# Altium PCB bg_pcb.PcbDoc (part 1 of 2) (continued)
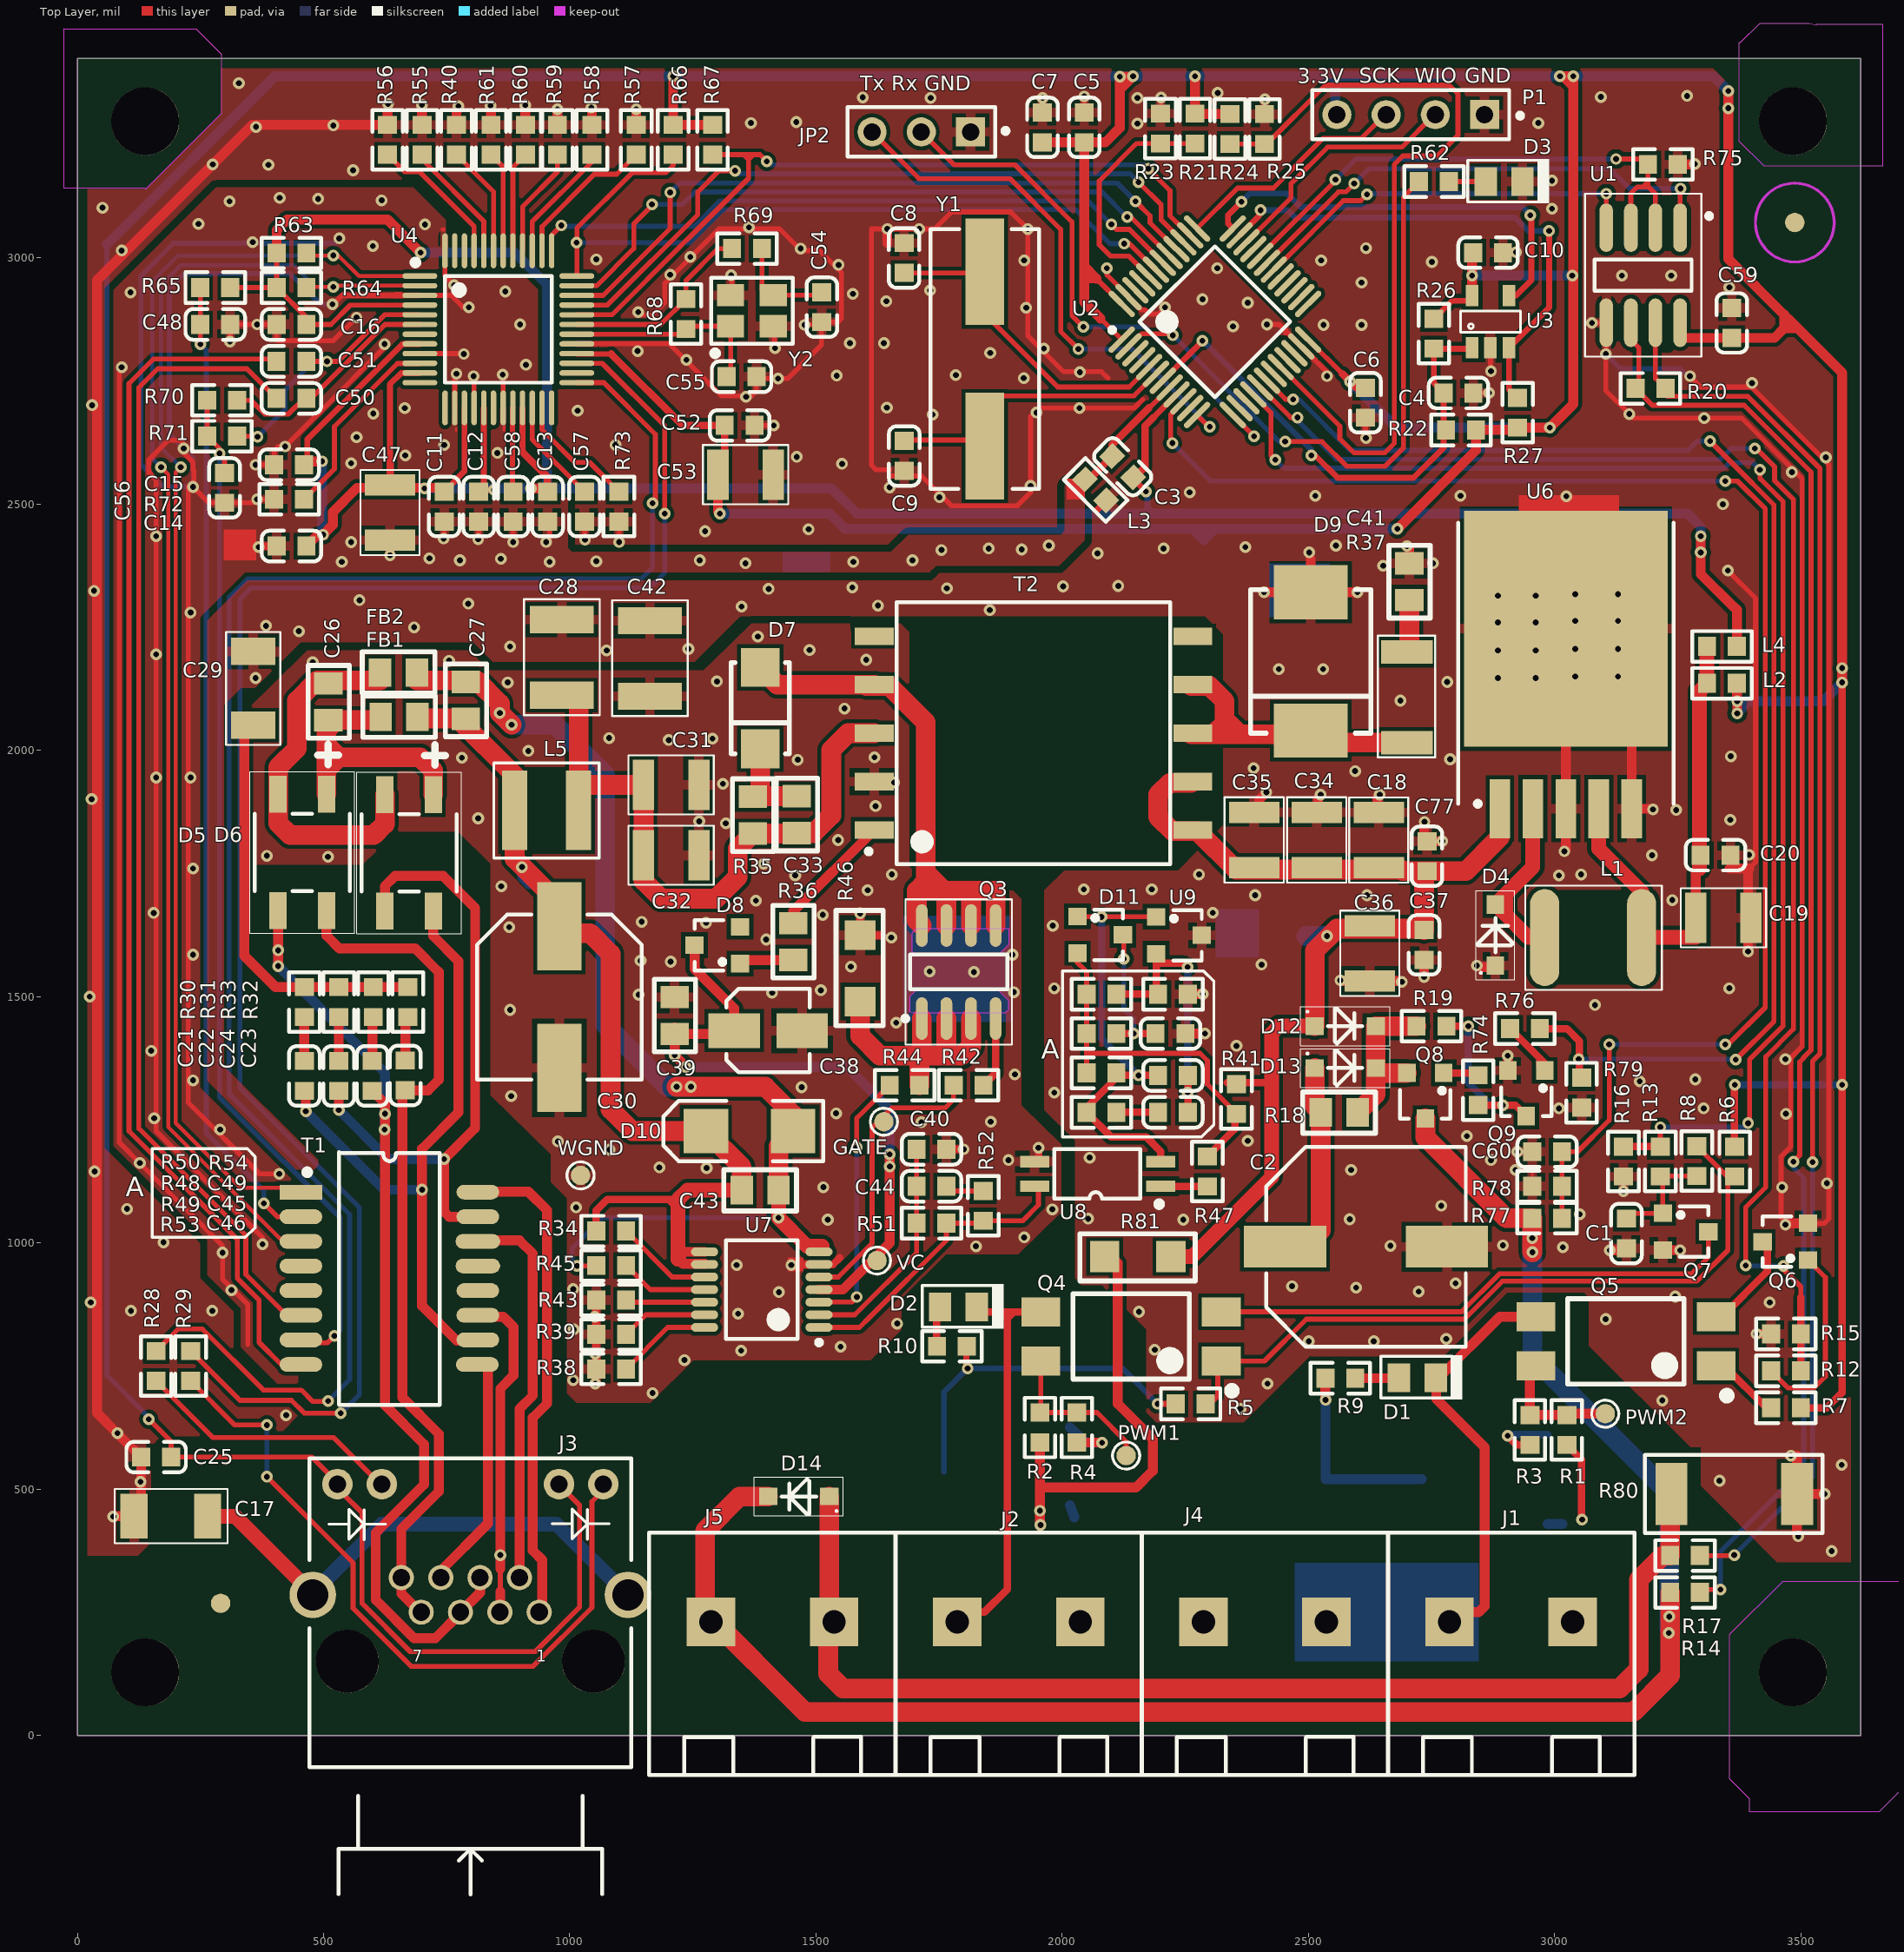
[diagram p0: Top Layer view]
## Footprints (in the part's own frame and the unit in brackets; to place one, negate y for a bottom-side part, rotate by r counter-clockwise, add the part's x,y. Pads: shape width x height; smd on the part's side, far side on the other; paste and mask are expansions set on the pad)
8M_SMD_CRYSTAL [mm]
  rect 5.5x2 smd: 1(-4.5,0) 2(4.5,0)
  silkscreen extent -6.7,-2.8 6.7,2.8
25MHZ-SMD-3225_4P [mm]
  rect 1.4x1.15 smd: 1(-1.1,-0.8) 2(1.1,-0.8) 3(1.1,0.8) 4(-1.1,0.8)
  silkscreen extent -2.1,-2.35 2.1,1.7, body extent -1.6,-1.25 1.6,1.25, height 0.61
0805 [mm] "Chip Capacitor, Body 2.0x1.3mm, IPC High Density"
  rect 1.16x1.47 smd: 1(0,0) 2(1.9,0)
  silkscreen extent -0.92,-1.05 2.83,1.07
1206 [mm]
  rect 1.52x1.6 smd: 1(0,0) 2(3.42,0)
  silkscreen extent -1.25,-1.17 4.7,1.25
1808 [mm]
  rect 1.4x2.3 smd: 1(0,0) 2(3.8,0)
  silkscreen extent -1,-1.4 4.82,1.4
1812 [mm] "Chip Capacitor, Body 4.5x3.2mm, IPC High Density"
  rect 1.4x3.3 smd: 1(0,0) 2(3.9,0)
  silkscreen extent -1.02,-1.95 4.95,1.95, body extent -0.5,-1.7 4.3,1.7, height 1.4
2010 [mm]
  rect 1.2x2.67 smd: 1(0,0) 2(4.68,0)
  silkscreen extent -0.83,-1.49 5.44,1.46
2512 [mm]
  rect 1.65x3.2 smd: 1(-3.24,0) 2(3.24,0)
  silkscreen extent -4.6,-2.02 4.55,2.02
bingo_logo [mil]
  silkscreen extent 2,-1 742,221
C4*5.8 [mm]
  rect 2.65x1.8 smd: 1(-1.75,0) 2(1.75,0)
  silkscreen extent -2.15,-2.15 2.15,2.15, body extent -2.15,-2.15 2.15,2.15, height 5.8
C8*10.2MM [mm]
  rect 4.55x2.3 smd: 1(-3.65,0) 2(3.65,0)
  silkscreen extent -4.25,-4.25 4.25,4.25, body extent -4.25,-4.25 4.25,4.25, height 10.2
C10*10.5mm [mm]
  rect 4.25x2.15 smd: 1(-4.175,0) 2(4.175,0)
  silkscreen extent -5.15,-5.15 5.15,5.15, body extent -5.15,-5.15 5.15,5.15, height 10.5
C0603 [mm]
  rect 0.93x0.98 smd: 1(-0.77,0) 2(0.77,0)
  silkscreen extent -1.53,-0.79 1.54,0.79, body extent -0.8,-0.4 0.8,0.4, height 0.3
C1210 [mm] "Chip Capacitor, Body 3.2x2.5mm, IPC High Density"
  rect 1.1x2.6 smd: 1(-1.35,0) 2(1.5,0)
  silkscreen extent -2.12,-1.53 2.27,1.53, body extent -1.6,-1.35 1.8,1.35, height 1.3
H1102NL [mm]
  rect 2.2x0.76 smd: 1(0,0)
  oval 2.2x0.76 smd: 2(0,-1.27) 3(0,-2.54) 4(0,-3.81) 5(0,-5.08) 6(0,-6.35) 7(0,-7.62) 8(0,-8.89) 9(9.1,-8.89) 10(9.13,-7.62) 11(9.13,-6.35) 12(9.13,-5.08) 15(9.13,-1.27) 16(9.13,0)
  oval 2.3x0.76 smd: 13(9.13,-3.81) 14(9.13,-2.54)
  silkscreen extent 0.18,-10.97 7.17,2.05
HD01 [mm] "SOT143, 4-Leads, Body 4.70x7.00mm, Pitch 2.50mm, IPC Medium Density"
  rect 1.9x0.9 smd: 1(0,0) 2(6,0) 3(0,-2.5) 4(6,-2.5)
  silkscreen extent -2.58,-3.95 7.17,1.45, body extent 1,-3.7 5,1.2, height 2.7
HDR1X3 [mm] "Connector; Header; 3 Position"
  rect 1.5x1.5 hole 0.9: 1(0,0)
  round 1.5 hole 0.9: 2(2.54,0) 3(5.08,0)
  silkscreen extent -1.27,-1.27 6.35,1.27
HDR1X4 [mm] "Connector; Header; 4 Position"
  rect 1.5x1.5 hole 0.9: 1(0,0)
  round 1.5 hole 0.9: 2(2.54,0) 3(5.08,0) 4(7.62,0)
  silkscreen extent -1.27,-1.27 8.89,1.27
L4*4MM [mm] "Precision Wire Wound Inductor, 2-Leads, Body 4.40x4.40mm, IPC Medium Density"
  rect 1.3x4.1 smd: 1(-0.05,0) 2(3.25,0)
  silkscreen extent -1.12,-2.45 4.3,2.45, body extent -0.5,-2.2 3.9,2.2, height 1.1
L0603 [mm]
  rect 0.93x0.98 smd: 1(-0.77,0) 2(0.77,0)
  silkscreen extent -1.54,-0.79 1.53,0.79, body extent -0.82,-0.41 0.83,0.41, height 0.46
L-7.5S [mm]
  oval 1.5x5 smd: 1(0,0) 2(5,0)
  silkscreen extent -1,-2.7 6.05,2.68
LC_SMD-4 [mm]
  rect 2x1.5 smd: 1(-4.65,1.27) 2(-4.65,-1.27) 3(4.65,-1.27) 4(4.65,1.27)
  silkscreen extent -5.4,-2.2 3,3, body extent -5.02,-2.42 5.01,2.42, height 3.9
LED-0805 [mm] "Chip Capacitor, Body 2.0x1.3mm, IPC High"
  rect 1.16x1.47 smd: 1(0,0) 2(-1.9,0)
  silkscreen extent -3.28,-1.18 0.92,1.12
LQFP48 [mm]
  oval 1.8x0.3 smd: 1(-4.038,2.752) 2(-4.038,2.252) 3(-4.038,1.752) 4(-4.038,1.252) 5(-4.038,0.752) 6(-4.038,0.252) 7(-4.038,-0.248) 8(-4.038,-0.748) 9(-4.038,-1.248) 10(-4.038,-1.748) 11(-4.038,-2.248) 12(-4.038,-2.748) 25(4.062,-2.748) 26(4.062,-2.248) 27(4.062,-1.748) 28(4.062,-1.248) 29(4.062,-0.748) 30(4.062,-0.248) 31(4.062,0.252) 32(4.062,0.752) 33(4.062,1.252) 34(4.062,1.752) 35(4.062,2.252) 36(4.062,2.752)
  oval 0.3x1.8 smd: 13(-2.738,-4.048) 14(-2.238,-4.048) 15(-1.738,-4.048) 16(-1.238,-4.048) 17(-0.738,-4.048) 18(-0.238,-4.048) 19(0.262,-4.048) 20(0.762,-4.048) 21(1.262,-4.048) 22(1.762,-4.048) 23(2.262,-4.048) 24(2.762,-4.048) 37(2.762,4.052) 38(2.262,4.052) 39(1.762,4.052) 40(1.262,4.052) 41(0.762,4.052) 42(0.262,4.052) 43(-0.238,4.052) 44(-0.738,4.052) 45(-1.238,4.052) 46(-1.738,4.052) 47(-2.238,4.052) 48(-2.738,4.052)
  silkscreen extent -4.16,-2.75 2.76,3.58, body extent -3.49,-3.5 3.51,3.5, height 1.6
MKDS_5_6.35 [mm]
  rect 2.5x2.5 hole 1.2: 1(-3.175,0) 2(3.175,0)
  silkscreen extent -6.36,-7.9 6.36,4.6
POE13P-12L [mm]
  rect 2x0.9 smd: 1(-8.22,-5) 2(-8.22,-2.5) 3(-8.22,0) 4(-8.22,2.5) 5(-8.22,5) 6(8.22,5) 7(8.22,2.5) 8(8.22,0) 9(8.22,-2.5) 10(8.22,-5)
  silkscreen extent -8.63,-6.75 7.05,6.75, body extent -6.5,-6.75 6.5,6.75, height 12.7
R0603 [mm]
  rect 0.93x0.98 smd: 1(-0.77,0) 2(0.77,0)
  silkscreen extent -1.53,-0.79 1.54,0.79, body extent -0.85,-0.4 0.85,0.4, height 0.56
RJ45LED [mm]
  round 1.3 hole 0.9: 1(2.03,3.55) 3(2.03,1.52) 4(0.25,0.5) 5(2.03,-0.51) 6(0.25,-1.52) 7(2.03,-2.54) 8(0.25,-3.56)
  round 1.3 hole 0.9 paste+0: 2(0.25,2.53)
  round 1.575 hole 0.9: 9(-4.57,6.86) 10(-4.57,4.57) 11(-4.57,-4.57) 12(-4.57,-6.86)
  round 2.4 hole 1.6: 13(1.14,8.13) 14(1.14,-8.13)
  round 3.25 hole 3.25 unplated: 15(4.57,6.35) 16(4.57,-6.35)
  silkscreen extent -5.91,-8.3 16.6,8.3, body extent -5.9,-9.3 10.82,9.33, height 14.8
SMA [mm]
  rect 2x2 smd: 1(4.481,1.403) 2(0.281,1.403)
  silkscreen extent 0.03,-0.1 4.73,2.9
SMB [mm] "DO-214-AA/SMB; 2 C-Bend Leads; Body 5.3 x 3.6 mm, inc. leads (LxW)"
  rect 2.3x2.3 smd: 1(-2.25,0) 2(2.25,0)
  silkscreen extent -3.8,-1.55 4.44,1.55
SMC [mil]
  rect 110x150 smd: 1(281.16,125.04) 2(0.18,125.04)
  silkscreen extent -5,3 286,247
SO8 [mm] "SOIC, 8-Leads, Body 4.9x3.9mm, Pitch 1.27mm, IPC Medium Density"
  oval 2.2x0.6 smd: 1(-2.4,1.905) 2(-2.4,0.635) 3(-2.4,-0.635) 4(-2.4,-1.905) 5(2.4,-1.905) 6(2.4,-0.635) 7(2.4,0.635) 8(2.4,1.905)
  silkscreen extent -3.75,-2.75 3.75,2.88, body extent -2,-2.5 2,2.5, height 1.75
SOD123 [mm]
  rect 0.95x0.9 smd: 1(-1.575,0) 2(1.575,0)
  silkscreen extent -2.3,-1 2.3,1, body extent -1.43,-0.85 1.42,0.85, height 1.35
SOIC8 [mm] "SOIC, 8-Leads, Body 4.9x3.9mm, Pitch 1.27mm, IPC Low Density"
  oval 2.5x0.7 smd: 1(-2.45,1.905) 2(-2.45,0.635) 3(-2.45,-0.635) 4(-2.45,-1.905) 5(2.45,-1.905) 6(2.45,-0.635) 7(2.45,0.635) 8(2.45,1.905)
  silkscreen extent -4.2,-3 4.2,3.53, body extent -2,-2.5 2,2.5, height 1.75
SOT23-5 [mm]
  rect 0.65x1.1 smd: 1(-0.95,-1.35) 2(0,-1.35) 3(0.95,-1.35) 4(0.95,1.35) 5(-0.95,1.35)
  silkscreen extent -1.55,-0.55 1.55,0.55
SOT-23 [mm]
  rect 0.9x0.95 smd: 1(0,0) 2(1.9,0) 3(0.95,2.35)
  silkscreen extent -0.35,0.79 2.25,2.35
SSOP4 [mm]
  rect 1.5x0.6 smd: 1(0,0) 2(0,-1.27) 3(6.5,-1.27) 4(6.5,0)
  silkscreen extent -0.07,-1.91 5.48,1.07
TO252 [mm]
  rect 7x7 smd: 1(0,0)
  rect 1.5x2 smd: 2(-2.3,-6.5) 3(2.3,-6.5)
  silkscreen extent -4.6,-8 3.81,3.81
TO-263-5 [mil]
  rect 42x120 smd: 1(340.94,568.43) 2(274.02,568.43) 3(207.09,568.43) 4(140.16,568.43) 5(73.23,568.43)
  rect 414x479.37 smd: 6(207.09,202.76)
  silkscreen extent -11,-12 426,563
TP_SMD_1_5mm [mm]
  round 1.5 smd paste-5: 1(0,0)
  silkscreen extent -1,-1 1,1
TP_SMD_1mm [mm]
  round 1 smd paste-5: 1(0,0)
  silkscreen extent -0.7,-0.7 0.7,0.7
TPS23753A [mm] "TSOP, 14-Leads, Body 5.00x4.40mm, Pitch 0.65mm, IPC Medium Density"
  oval 1.4x0.45 smd: 1(-2.95,1.95) 2(-2.95,1.3) 3(-2.95,0.65) 4(-2.95,0) 5(-2.95,-0.65) 6(-2.95,-1.3) 7(-2.95,-1.95) 8(2.95,-1.95) 9(2.95,-1.3) 10(2.95,-0.65) 11(2.95,0) 12(2.95,0.65) 13(2.95,1.3) 14(2.95,1.95)
  silkscreen extent -3.08,-2.55 1.85,2.85, body extent -2.25,-2.55 2.25,2.55, height 1.2
W5500-LQFP-48_7X7X05P [mm]
  oval 0.28x1.8 smd mask+0.051: 1(-2.75,-4.05) 2(-2.25,-4.05) 3(-1.75,-4.05) 4(-1.25,-4.05) 5(-0.75,-4.05) 6(-0.25,-4.05) 7(0.25,-4.05) 8(0.75,-4.05) 9(1.25,-4.05) 10(1.75,-4.05) 11(2.25,-4.05) 12(2.75,-4.05) 25(2.75,4.05) 26(2.25,4.05) 27(1.75,4.05) 28(1.25,4.05) 29(0.75,4.05) 30(0.25,4.05) 31(-0.25,4.05) 32(-0.75,4.05) 33(-1.25,4.05) 34(-1.75,4.05) 35(-2.25,4.05) 36(-2.75,4.05)
  oval 1.8x0.28 smd mask+0.051: 13(4.05,-2.75) 14(4.05,-2.25) 15(4.05,-1.75) 16(4.05,-1.25) 17(4.05,-0.75) 18(4.05,-0.25) 19(4.05,0.25) 20(4.05,0.75) 21(4.05,1.25) 22(4.05,1.75) 23(4.05,2.25) 24(4.05,2.75) 37(-4.05,2.75) 38(-4.05,2.25) 39(-4.05,1.75) 40(-4.05,1.25) 41(-4.05,0.75) 42(-4.05,0.25) 43(-4.05,-0.25) 44(-4.05,-0.75) 45(-4.05,-1.25) 46(-4.05,-1.75) 47(-4.05,-2.25) 48(-4.05,-2.75)
  silkscreen extent -3.6,-4.42 2.75,2.75

## Part data
3V3A 3V3D 12V AGND DGND GATE PWM1 PWM2 VC VDD VSS WGND: "1.0mm circular SMD testpad"
BingoBin_V1.0.10: library part bingo_logo, "bingo logo"
C1 C3 C4 C5 C6 C7 C10 C11 C12 C13 C14 C15 C16 C52 C59 C60: library part C0603, "Capacitor, Ceramic, 0.1uF, 16V, 10%, 0603, X7R"
C2: library part "Cap Pol2", "Capacitor, Aluminum Electrolytic, 470uF,16V, 20%"
C8 C9: library part C0603, "Capacitor, Ceramic, 22pF, 50V, 5%, 0603, COG"
C17 C29: "Capacitor, Ceramic Chip,1000pF, 2KV, 10%,1808"
C18 C19 C34 C35 C36: "Capacitor, Ceramic, 22uF,16V, 10%,1210,X5R"
C20: library part CAP, "Capacitor, Ceramic, 0.1uF, 16V, 10%, 0603, X7R"
C21 C22 C23 C24: "Capacitor, Ceramic, 0.1uF, 100V, 10%, 0603, X7R"
C25: library part C1005X5R1H104K, "Capacitor, Ceramic, 0.1uF, 16V, 10%, 0603, X7R"
C26 C27: "Capacitor, Ceramic, 1000pF,100V, 10%,0805,X7R"
C28 C42: "Capacitor, Ceramic, 2200pF,2KV, 20%,1812,X7R"
C30: library part "Cap Pol2", "Capacitor, Aluminum Electrolytic, 22uF,100V, 20%"
C31 C32: "Capacitor, Ceramic, 2.2uF,100V, 10%,1210,X7R"
C33 C43: "Capacitor, Ceramic, 0.1uF,100V, 10%,0805,X7R"
C37 C49: "Capacitor, Ceramic, 1uF, 25V, 10%, 0603, X7R"
C38: library part "Cap Pol2", "Capacitor, Aluminum,10uF, 25V, 20%"
C39: "Capacitor, Ceramic, 0.22uF,25V, 10%,0805,X7R"
C40: "Capacitor, Ceramic, 0.1uF, 16V, 10%, 0603, X7R"
C41: "Capacitor, Ceramic, 680pF,50V,5%,0805, NPO"
C44: "Capacitor, Ceramic, 0.033uF, 50V, 10%, 0603, X7R"
C45: "Capacitor, Ceramic, 100pF, 50V, 5%, 0603, X7R"
C46: "Capacitor, Ceramic, 0.01uF, 50V, 10%, 0603, X7R"
C47 C53: "Capacitor, Ceramic, 10uF,16V, 10%,1210,X5R"
C48: library part C0603, "Capacitor, Ceramic, 22nF, 25V, 10%, 0603, X7R"
C50 C51: library part C0603, "Capacitor, Ceramic, 6.8nF, 50V, 10%, 0603, X7R"
C54 C55: library part C0603, "Capacitor, Ceramic, 18pF, 50V, 5%, 0603, COG"
C56 C57: library part C0603, "Capacitor, Ceramic, 0.01uF, 50V, 10%, 0603, X7R"
C58: library part C0603, "Capacitor, Ceramic, 4.7uF, 16V, 10%, 0603, X7R"
C77: "Capacitor, X5R, ±10%"
D1 D2 D3: library part LED_0805, "翠绿色 贴片LED ( Iv=220-270mcd @IF=5mA)?"
D4 D12 D13 D14: library part DIODE, "Diode Schottky, 40V,1A"
D5 D6: library part Bridge1, "Bridge Rectifier, 100V, 0.8A, Glass Passivated, SMD"
D7: library part Diode, "Diode, Rectifier, 1A, 200V"
D8: "Diode, Switching, 200mA, 75V, 225mW"
D9: library part "D Schottky", "Diode Schottky, 60V, 3A, SMC"
D10: library part "D Schottky", "Diode,Transient Voltage Suppressor,400W,58V"
D11: library part "D Schottky", "Diode, Dual Schottky, 200mA, 30V"
FB1 FB2: library part FB, "Bead, Ferrite, SMT, 220 Ohms, 3A"
J1 J2 J4 J5: library part "Header 2", "WJ15EDGVC-3.81-2P"
J3: "RJ45连接器/RJ45网口连接器,8p8c,9"
JP2: library part "Header 3", "Header, 3-Pin, Single row"
L1: library part BEAD, "330uH功率"
L2 L3 L4: library part L0603, "Bead, Ferrite, SMT, 120 Ohms, 3A"
L5: library part "Inductor Iron", "Inductor, SMT, 750mA, 350 milliohm,10uH"
P1: library part "Header 4", "Header, 4-Pin"
Q1 Q2: library part PMOS, "AOD4185(TO-252-2)"
Q3: library part NMOS-2, "MOSFET, N-ch, 150-V, 4.1A, 66 milliOhms"
Q4 Q5: library part Optocoupler, "EL817S(B)(TU)-F"
Q6 Q7 Q9: library part MOSFET-N, "N沟道,30V,5.6A,27mΩ(Typ,@Vgs=4"
Q8: library part PMOS-2, "CJ3401(SOT-23-3)"
R1 R2 R3 R4 R5 R6 R7 R8 R12 R13 R14 R15 R16 R17 R19 R74 R76 R79: library part R0402-12k, "RES, THICK FILM, 10K, 5%, 1/10W, 0603"
R9 R10 R44: library part Res3, "RES, THICK FILM, 1K, 5%, 1/10W, 0603"
R18: library part R0603, "RES, THICK FILM, 2.2K, 5%, 1/8W, 0805"
R20: library part R0603, "RES, THICK FILM, 120 OHM, 5%, 1/10W, 0603"
R21 R22 R23 R24 R25: library part R0603, "RES, THICK FILM, 4.7K, 5%, 1/10W, 0603"
R26 R27 R40 R55 R56 R57 R58 R59 R60 R61 R66 R67 R73 R75: library part R0603, "RES, THICK FILM, 10K, 5%, 1/10W, 0603"
R28 R29: library part R0603, "RES, THICK FILM, 330 OHM, 5%, 1/10W, 0603"
R30 R31 R32 R33: library part Res3, "RES, THICK FILM, 75 OHM, 1%, 1/10W, 0603"
R34: library part Res3, "RES, THICK FILM, 24.9K, 1%, 1/10W, 0603"
R35: library part Res3, "RES, THICK FILM, 39K, 1%, 1/8W, 0805"
R36: library part Res3, "RES, THICK FILM, 10 OHM, 1%, 1/8W, 0805"
R37: library part Res3, "RES, THICK FILM, 20 OHM, 5%, 1/2W, 2010"
R38: library part Res3, "RES, THICK FILM, 59K, 1%, 1/10W, 0603"
R39: library part Res3, "RES, THICK FILM, 80.6K, 1%, 1/10W, 0603"
R41: library part Res3, "RES, THICK FILM, 0 OHM, 1%, 1/10W, 0603"
R42: library part Res3, "RES, THICK FILM, 10 OHM, 5%, 1/10W, 0603"
R43: library part Res3, "RES, THICK FILM, 39.2K, 1%, 1/10W, 0603"
R45: library part Res3, "RES, THICK FILM, 90.9 OHM, 1%, 1/10W, 0603"
R46 R81: library part Res3, "RES, THICK FILM, 0.39 OHM, 1%, 3/4W, 2010"
R47 R51: library part Res3, "RES, THICK FILM, 2K, 5%, 1/10W, 0603"
R48 R53: library part Res3, "RES, THICK FILM, 10K, 5%, 1/10W, 0603"
R49: library part Res3, "RES, THICK FILM, 4.99K, 1%, 1/10W, 0603"
R50: library part Res3, "RES, THICK FILM, 44.2K, 1%, 1/10W, 0603"
R52: library part Res3, "RES, THICK FILM, 1.5K, 5%, 1/10W, 0603"
R54: library part Res3, "RES, THICK FILM, 11.5K, 1%, 1/10W, 0603"
R62: library part R0603, "RES, THICK FILM, 1K, 5%, 1/10W, 0603"
R63 R64: library part R0603, "RES, THICK FILM, 49.9 OHM, 1%, 1/10W, 0603"
R65: library part R0603, "RES, THICK FILM, 10 OHM, 5%, 1/10W, 0603"
R68: library part R0603, "RES, THICK FILM, 1M, 5%, 1/10W, 0603"
R69: library part R0603, "RES, THICK FILM, 0 OHM, 1%, 1/10W, 0603"
R70 R71: library part R0603, "RES, THICK FILM, 82 OHM, 5%, 1/10W, 0603"
R72: library part R0603, "RES, THICK FILM, 12.4K, 1%, 1/10W, 0603"
R77: library part R0603, "RES, THICK FILM, 10M, 5%, 1/10W, 0603"
R78 R80: library part R0603, "RES, THICK FILM, 1.5M, 5%, 1/10W, 0603"
T1: library part H1102NL, "XFMR, 1000 Base-T, Ratio 1:1"
T2: library part Trans3, "Transformer, Flyback For PoE, 12V, 1A"
U1: "+3.3V Low Power Half-Duplex RS-485 Transceiver with 10Mbps Data Rate"
U2: "mcu  LQFP-48_7x7x05P"
U3: library part STWD100, "Watchdog timer circuit/1.6s"
U4: "TCP/IP嵌入式"
U6: library part LM2575, "SIMPLE SWITCHER? 1A Step-Down Voltage Regulator"
U7: "IC, IEEE 802.3af Integrated Primary Side Controller"
U8: library part Optoisolator1, "IC, Photocoupler, 3750VRMS, 80-160% CTR"
U9: library part TL431AQDBZR, "IC, Shunt Regulator, 2.5V Ref, 36V, 100mA, 1%"
Y1: library part CRYSTAL_32.768k, "20PF 20PPM -40~+85℃ ?"
Y2: "XTAL S3225 25M 12pF 10ppm 40R -20~70℃?"

## Free pads (board coordinates)
  round 39.37 smd mask+39.37: 0(3488,3072) 1(291,268)
  round 39.37 smd far side mask+39.37: 2(3488,3072) 3(291,268)
  round 137.8 hole 137.8: 3(137.8,127.95) 4(3484.25,127.95) 5(3484.25,3277.56) 6(137.8,3277.56)

## Via types
v1: diameter 24, hole 12, Top Layer to Bottom Layer, tented both sides, 340 vias
v2: diameter 23.62, hole 11.81, Top Layer to Bottom Layer, tented both sides, 220 vias

## Nets (pads, with @x,y where several pads share a name; then routed paths per layer and width w, separated by ;. In a path a pad name is that pad's centre, name@x,y a point inside that pad or via, vN(x,y) a via of type N, cw(c..) or ccw(c..) an arc to the next point about the centre after c; other vN are vias at no path point)
1V2O: C57.1 U4.22 | length 214.2
  Top Layer w10: U4.22@923.9,2695.55 923.9,2631.42 C57.1@1030,2525.31
3V3: C19.1 C20.1 L1.2 L2.1 L4.1 U6.4 | length 1008.1
  Top Layer w20: C19.1@3286.22,1620 3286.85,1620.63 C19.1@3286.85,1660 3286.85,1752.17 3294.69,1760 ; L2.1@3309.68,2136.1 L2.1@3310,2135.79
  Top Layer w30: U6.4@3089.84,1881.57 3089.84,1800.16 3176.85,1713.15 L1.2@3176.85,1620 C19.1@3286.22,1620 ; 3294.69,1760 3294.69,2120.47 L2.1@3310,2135.79 ; L2.1@3309.68,2136.1 L4.1@3309.68,2211.1
3V3A: 3V3A.1 C3.1 C11.1 C12.1 C13.1 C14.1 C15.1 C16.1 C47.2 L4.2 R63.2 R64.2 R65.2 U2.9 U4.4 U4.8 U4.11 U4.15 U4.17 U4.21 | length 6635.8
  Top Layer w10: R65.2@310.32,2940 R64.2@404.68,2940 ; R63.2@404.68,3010 R64.2@404.68,2940 ; U4.4@695.55,2904.21 554.21,2904.21 515,2865 C16.1@465.31,2865 465.31,2879.37 R64.2@404.68,2940 ; 3365,2291.1 3370.32,2285.79
  Top Layer w12: C15.1@460.31,2580 467,2586.69 467,2632 660.47,2825.47 U4.8@695.55,2825.47 ; 635,2587 635,2743.7 657.55,2766.24 695.38,2766.24 U4.11@695.55,2766.42 ; C11.1@745,2525.31 786.1,2566.42 U4.15@786.1,2695.55 ; C12.1@815,2525.31 C12.1@818.69,2529 ; U4.17@825.47,2695.55 825.47,2535.79 C12.1@818.69,2529 ; v2@845,2526 847.63,2526 v2@848.31,2525.31 ; v2(846.1,2529) C12.1@818.69,2529 ; 904.21,2605.79 U4.21@904.21,2695.55 ; C3.1@2144.44,2554.56 2144.44,2551.56 v2(2170,2526) ; 2185,2675.51 U2.9@2232.33,2722.84
  Top Layer w15: C47.2@597.15,2533.15 635,2533.15 635,2587 ; 904.21,2605.79 955,2555 C13.1@955,2525.31 ; C3.1@2144.44,2551.56 2168,2575.13 2168,2658.51 2185,2675.51
  Top Layer w20: R63.2@404.68,3010 404.68,3056.68 426,3078 630,3078 v2(697,3011) ; C14.1@465.31,2415 486.81,2436.5 v2@500.5,2436.5 ; C15.1@467,2586.69 496.69,2586.69 v2(497,2587) ; v2(499,2438) 519,2458 519,2484 568.15,2533.15 C47.2@597.15,2533.15 ; C47.2@635,2533.15 737.17,2533.15 C11.1@745,2525.31 ; v2(921,2532) 948.31,2532 C13.1@955,2525.31 ; v2(3297,2435) v1(3297,2402) 3297,2358 3363.9,2291.1 3365,2291.1 ; L4.2@3370.32,2211.1 3370.32,2285.79
  Bottom Layer w12: 2162,2481 2173,2492 ; v2(2170,2526) 2173,2523 2173,2494 ; 2173,2481 2173,2492 ; 2184,2481 2184,2483 2173,2494 ; 2173,2492 2173,2494
  Bottom Layer w20: v2(497,2587) 497,2440 v2(499,2438) ; v2(697,3011) 888,3011 954,2945 954,2536 958,2532 ; v1(705,2532) v2(921,2532) 958,2532 ; v1(3297,2402) v2(3297,2435) 3297,2454 3270,2481 2184,2481 2173,2481 2162,2481 1583,2481 1532,2532 958,2532
3V3D: 3V3D.1 C5.2 C6.2 C7.2 C10.2 C25.1 C52.1 C53.2 C59.1 J3.10 J3.12 L2.2 P1.4 R6.2 R7.2 R21.1 R22.2 R24.1 R26.2 R27.1 R66.2 R67.2 U1.8 U2.1 U2.24 U2.48 U3.5 U4.28 | length 16800.7
  Top Layer w10: v2(145,642) 190.31,596.69 C25.1@190.31,565 476,565 539.92,501.08 539.92,490.08 578,452 578,268 676,170 930,170 1020,260 1020,467 989.92,497.08 J3.10@989.92,509.92 ; U4.28@1014.45,2805.79 1015.24,2805 1084,2805 ; 2069.55,2958 U2.48@2120.97,2906.58 ; 2078.09,2877.09 U2.1@2120.97,2834.2 ; U2.24@2499.58,2834.2 2568.78,2765
  Top Layer w12: R26.2@2755,2876.38 2791.62,2913 2821.7,2913 U3.5@2832.6,2923.9 ; R27.1@2920.32,2650.75 R27.1@2925,2655.44
  Top Layer w15: 1084,2805 1229,2660 C52.1@1314.69,2660 1314.69,2567.83 C53.2@1306.85,2560 ; 2568.78,2765 v2(2584.78,2749) 2597.47,2736.32 C6.2@2616,2736.32 ; R6.2@3365,1195.32 3365,1320 v2(3366,1321) ; R7.2@3500.32,665 3553,665 3584,696 v2(3584,1321) v2(3584,2138)
  Top Layer w20: v2(1210,3369) R66.2@1210,3270.32 R67.2@1290,3270.32 ; C53.2@1300.94,2560 1300.94,2485.06 v2(1305,2481) ; C7.2@1960,3234.68 C5.2@2045,3234.68 ; 2069.55,2958 2068.55,2959 ; 2078.09,2877.09 2045,2910.17 2045,2959 ; v2(2144,3369) v2@2143,3368 ; v2(2270,3369) 2269.9,3368.9 R21.1@2269.9,3293.06 2270.9,3292.06 R24.1@2340.9,3292.06 ; v1(2681,2450) 2840.32,2609.32 R22.2@2840.32,2650.75 R27.1@2920.32,2650.75 ; U3.5@2832.6,2923.9 v2(2832.6,2964) 2832.6,3008.66 C10.2@2834.69,3010.75 ; R27.1@2925,2655.44 v2(2990.44,2655.44) 3038,2703 v2@3038,2964 ; v1(3011,3369) v1@3017.8,3369 ; v2(3036,2964) v2@3038,2964 ; U1.8@3255,2868.54 3255,2839 3256.31,2837.69 C59.1@3360,2837.69 3446.69,2837.69 3466.5,2857.5 ; v2(3353,3339) v1(3353,3304) 3353,2998 3466.5,2884.5 ; L2.2@3370.32,2136.1 3370.32,2100.68 v2(3371,2100) v2(3371,2075) ; 3487.5,2857.5 3466.5,2857.5 ; v2(3584,2138) v1(3584,2167) 3584,2767 3480,2871 ; 2045,2959 2068.55,2959 ; 2045,2959 2045,2982.55 ; 2045,2982.55 C5.2@2045,3234.68 ; 2045,2982.55 2068.55,2959 ; C5.2@2045,3234.68 2087.68,3234.68 2117,3264 2117,3345 ; 2117,3345 2120,3345 v2@2143,3368 ; 2117,3345 v2(2117,3368) v2@2143,3368 ; v1@3017.8,3369 v2(3038,3369) 3038,3348.8 ; v1@3017.8,3369 3038,3348.8 ; v2@3038,2964 3038,3348.8 ; 3466.5,2857.5 3480,2871 ; 3466.5,2857.5 3466.5,2884.5 ; 3466.5,2884.5 3480,2871
  Bottom Layer w10: 60,3027.43 60,731 145,646 v2(145,642)
  Bottom Layer w15: v2(3366,1321) v2(3584,1321)
  Bottom Layer w20: 60,3027.43 401.57,3369 v2(1210,3369) v2@2117,3369 ; v2(1305,2481) 1528,2481 1559,2450 2265,2450 ; v2(2117,3368) v2@2117,3369 ; 3V3D.1@2288,2446 3V3D.1@2288,2428 ; P1.4@2555,3290 2555,3368 2556,3369 ; v2(2584.78,2749) 2678.35,2655.44 v2(2990.44,2655.44) ; v1(2681,2450) 2310,2450 ; v2(2832.6,2964) v2(3036,2964) ; v1(3353,3304) v2(3353,3339) 3323,3369 v2(3038,3369) v1(3011,3369) 2556,3369 ; v2(3371,2075) v2@3371,2076 ; v1(3584,2167) v2(3584,2138) 3546,2100 3395,2100 ; v2@2117,3369 v2(2144,3369) v2(2270,3369) 2556,3369 ; 2265,2450 3V3D.1@2288,2427 3V3D.1@2288,2428 ; 2265,2450 2310,2450 ; 3V3D.1@2288,2428 2310,2450 ; v2@3371,2076 v2(3371,2100) 3395,2100 ; v2@3371,2076 3395,2100
AGND: AGND.1 C3.2 C11.2 C12.2 C13.2 C14.2 C15.2 C16.2 C47.1 C48.2 C56.2 C58.2 L3.2 R72.1 U2.8 U4.3 U4.9 U4.14 U4.16 U4.19 U4.48 | length 9288.9
  Top Layer w10: v1@85,2778 85,1204 v1(127,1162) 295,994 v1(295,980) 295,926 346,875 346,794 ; v1@214.74,2606 214.74,2624.26 209,2630 185,2630 145,2590 145,2564.64 160,2549.64 v1(160,2435) v1(160,2195) v1(160,1945) 160,1227 376,1011 v2(376,997) ; v1(216,2613) 216,2604.36 235,2585.36 235,2570.83 237,2568.83 237,2547 225,2535 225,1285 370,1140 v2(410,1140) ; v1(235,2535) 267.32,2502.68 C56.2@299,2502.68 357.68,2502.68 v2(365,2510) R72.1@399.69,2510 ; v2(310,2830) 310.32,2830.32 C48.2@310.32,2865 v2(365,2865) C16.2@404.68,2865 404.68,2833.21 405.9,2832 520,2832 v2(567,2879) ; v2(362,2580) C15.2@399.68,2580 399.68,2608.79 407.9,2617 v2(422,2617) 487.71,2682.71 488.69,2682.71 496.31,2690.32 496.31,2691.31 v1@620,2815 ; v2(518,2906) 519.68,2906 537.58,2923.9 U4.3@695.55,2923.9 759.1,2923.9 783,2900 v2(795,2900) ; v2(635,2396) C47.1@635,2426.85 ; U4.9@695.55,2805.79 784.21,2805.79 v2(785,2805) ; v2(744,2430) 745,2431 C11.2@745,2464.68 ; U4.48@746.73,3014.45 746.73,2963.27 v2(765,2945) ; U4.14@766.42,2695.55 766.42,2761.42 v2(770,2765) ; v2(805,2760) 805.79,2759.21 U4.16@805.79,2695.55 ; v2(814,2429) 815,2430 C12.2@815,2464.68 ; U4.19@864.84,2695.55 864.84,2754.84 v2@865,2755 ; C58.2@885,2464.68 885,2433 v2@887,2431 ; v2(952,2423) 955,2423 959,2427 959,2460.68 C13.2@955,2464.68 ; 2176.51,2696.01 2177.66,2696.01 U2.8@2218.41,2736.76
  Top Layer w15: 330,2415 366,2415 v2(368,2413) 370,2415 C14.2@404.68,2415 ; L3.2@2046.56,2550.43 2054.56,2550.43 C3.2@2101.56,2597.43 2101.56,2621.07 2176.51,2696.01
  Bottom Layer w10: v2(518,2906) 494.16,2906 432.16,2968 217.04,2968 187,2937.96 187,2642 v1(216,2613) 235,2594 v1(235,2535) 174.64,2535 129,2580.64 129,2964 194.81,3029.81 524.19,3029.81 532,3037.62 v1(532,3039.81)
  Bottom Layer w15: v2@368,2412 v2(368,2413)
  other v1: 313,904 290,1230 156,1253 235,1330 150,1390 235,1585 155,1670 235,1760 230,1945 230,2280 1357,2380 537,2383 959,2383 1576,2383 1054,2384 777,2386 1264,2386 1696,2386 860,2389 715,2390 1755,2407 1918,2408 1851,2410 1973,2416 556,2423 556,2583 666,2599 853,2604 745,2620 567,2636 601,2684 665,2695 90,2778 911,2783 624,2825 899,2865 108,2930 869,2932 600,3024 356,3032 706,3068 246,3069 309,3115 618,3117 489,3120 411,3122
  other v2: 885,2423 864,2763
BI_DA_N: J3.3 T1.11 | length 768.6
  Top Layer w10: 859,291.94 859,338
  Top Layer w20: T1.11@832.91,850 865,850 886,829 886,731 859,704 v1(859,366) 859,338 ; J3.3@858.03,250.08 859,251.05 859,291.94
  Bottom Layer w10: 859,291.94 859,345
  Bottom Layer w20: J3.3@858.03,250.08 859,251.05 859,291.94 ; 859,345 v1(859,366)
BI_DA_P: J3.6 T1.9 | length 491.9
  Top Layer w20: J3.6@738.35,320.16 738.35,334.5 834,430.16 834,749 830,753 T1.9@812.27,753
BI_DB_N: J3.2 T1.14 | length 782.1
  Top Layer w20: T1.14@827.91,1005 898,1005 925,978 925,690 898,663 898,331.76 J3.2@909.61,320.16
BI_DB_P: J3.1 T1.16 | length 979
  Top Layer w20: T1.16@828.91,1104 916,1104 954,1066 954,674 925,645 925,375 944,356 944,255.84 J3.1@949.76,250.08
BOOT0: R21.2 R23.2 U2.44 | length 485
  Top Layer w10: U2.44@2177.75,2962.26 U2.44@2176.65,2962.26 2135.1,3003.81 2098.19,3003.81 2075.19,3026.81 2075.19,3156.19 2151.43,3232.43 R23.2@2199.9,3232.43 R21.2@2269.9,3232.43
BOOT1: R24.2 R25.2 U2.20 | length 1651.2
  Top Layer w10: R24.2@2340.9,3231.43 R25.2@2410.9,3231.43 2415.43,3231.43 2535,3351 2786,3351 2804,3333 2804,3249 2762,3207 2692,3207 2674.5,3189.5 2674.5,2623.5 2655,2604 2593,2604 2564,2633 2564,2658.43 U2.20@2443.9,2778.52 U2.20@2442.8,2778.52
CGND: C17.2 J3.13 J3.14 | length 1069.8
  Top Layer w20: J3.13@1130.08,285.12 J3.13@1143.98,271.22
  Top Layer w30: C17.2@264.61,445 320,445 468.88,296.12 J3.14@457.87,285.12
  Bottom Layer w30: J3.14@489.92,285.12 489.92,300.92 618,429 973,429 1116.88,285.12 J3.13@1130.08,285.12
DGND: C1.1 C2.2 C4.1 C5.1 C6.1 C7.1 C8.2 C9.2 C10.1 C17.1 C18.2 C19.2 C20.2 C25.2 C28.2 C29.1 C34.1 C35.1 C36.1 C37.1 C41.1 C42.2 C49.1 C52.2 C53.1 C54.2 C55.2 C57.2 C59.2 C60.2 C77.2 D3.2 D4.1 D9.1 DGND.1 JP2.1 L3.1 P1.1 Q6.2 Q7.2 Q9.2 R15.1 R16.1 R23.1 R25.1 R40.2 R54.1 R55.2 R56.2 R57.2 R58.2 R59.2 R60.2 R61.2 R73.1 R75.2 R78.1 R79.1 R80.2 U1.5 U2.23 U2.47 U3.2 U4.29 U6.3 U6.5 U6.6 U9.3 Y2.2 Y2.4 | length 15174.3
  Top Layer w6: v2(2921,1148) 2954.68,1148 R78.1@2954.69,1115
  Top Layer w10: U4.29@1014.45,2825.47 1202.5,2825.5 1279.38,2748.62 1279.38,2748.32 1307.7,2720 1370,2720 1379,2729 1379,2755 1443,2755 1511,2823 1511,2860.68 1515,2864.68 1477.68,2864.68 v2(1477,2864) ; C57.2@1030,2464.68 1030,2429 v2(1031,2428) ; v2(1100,2423) R73.1@1100,2464.69 ; v2(1139,2890) 1145,2884 1168,2884 1193,2909 1193,2949 1303,3059 1426,3059 1470,3015 1507,3015 1552,2970 1552,2877 1544.68,2869.68 C54.2@1512,2869.68 ; v2(1328,2965) 1329,2964 Y2.4@1329,2924.44 ; C52.2@1375.32,2660 v2(1414,2660) ; Y2.2@1415.62,2861.45 1415.62,2818.38 v2(1417,2817) ; 1650,2557 1714.81,2557 1775.25,2496.57 1909.43,2496.57 1909,2497 1936,2524 1936,2678 1953,2695 v2(2035,2695) 2146.43,2695 2163.71,2712.29 ; 1650,2569.68 1622.32,2569.68 1613,2579 1613,2945.7 1612.71,2945.99 1612.71,2993.38 1613,2993.67 1613,3011.53 1612.71,3011.82 1612.71,3059 v2(1645,3059) 1740.81,3059 1775.25,3093.43 1895.58,3093.43 v1(1930.24,3058.78) 1930.24,2841.76 2003,2769 2035,2769 2080,2769 2093,2756 ; C7.1@1960,3295.31 v2(1960,3325) ; C5.1@2045,3295.31 2045,3323 2044,3324 2044,3327 v2(2045,3328) ; v2@2088,2976 v2(2091,2979) 2091,2965.5 2134.89,2921.6 U2.47@2134.89,2920.5 2161.09,2894.3 2168.9,2894.3 2177,2886.2 2195.2,2886.2 v2(2209,2900) ; R23.1@2199.9,3293.06 2199.9,3324.9 v2(2201,3326) ; R25.1@2410.9,3292.06 2410.9,3321.08 v2(2412,3322.18) ; v1(2416,2865) 2440.94,2865 U2.23@2485.66,2820.28 2538,2767.94 v2(2538,2760) ; C6.1@2616,2675.69 2616,2635 v2(2617,2634) ; C4.1@2835.32,2725.75 2866.75,2725.75 v2(2867,2726) ; U3.2@2870,2817.6 2870,2771 v2(2871,2770) ; C10.1@2895.32,3010.75 2920.75,3010.75 v2(2922,3012) ; v2(2924.57,1185) C60.2@2954.68,1185 ; v2(3076,2868) 3076.54,2868.54 U1.5@3105,2868.54 3105,2806 v2(3104,2805) 3104,2731 v1(3152,2683) 3160,2675 v1(3304,2675) ; v2(3140,1104.57) R16.1@3140,1134.69 ; v2(3275,2760) 3297,2738 3400,2738 3557,2581 3557,1049 3547.8,1039.8 Q6.2@3515,1039.8 ; 3316,2675 3380.09,2675 3503,2552.09 3503,1399 3480,1376 3480,1195.09 3460.19,1175.28 3460.19,1051.42 v2@3471.8,1039.8 ; v2(3352,2365) 3408,2309 3408,1773 3395,1760
  Top Layer w20: v2(73,444) 74,445 C17.1@115,445 129.68,459.68 v2@129.68,515 ; v2(128,515) v2@129.68,515 ; 630,3297 R56.2@630,3270.32 355.32,3270.32 40,2955 40,654.68 v2(81.34,613.34) C25.2@129.68,565 v2@129.68,515 ; v2@699,3302 700,3301 R55.2@700,3270.32 ; R40.2@770,3270.32 770,3298.43 v2@772,3300.43 ; v2@839,3301 840,3300 R61.2@840,3270.32 ; v2@909,3302 910,3301 R60.2@910,3270.32 ; R59.2@975,3270.32 975,3298.43 973,3300.43 974.57,3302 v2(975,3302) ; v2(1044,3305) 1045,3304 R58.2@1045,3270.32 ; R57.2@1135,3270.32 1135,3300 1136,3301 v2(1135,3302) ; 1645,3030.32 v2(1645,3059) ; v2@2035,2769 v2(2036,2768) ; C49.1@2250.31,1425 v2(2290,1425) ; R54.1@2255.31,1505 v2(2285.43,1505) ; C35.1@2400,1873.15 2400,1900 v2(2415,1915) ; v2(2410.16,2321.16) D9.1@2504.96,2321.16 ; 2504.96,2389.33 D9.1@2504.96,2321.16 ; C34.1@2520,1873.15 2520,1905 v2(2525,1910) ; v2(2565,1533) 2566.15,1531.85 C36.1@2625,1531.85 2688.15,1531.85 v2(2690,1530) ; v1(2599.55,2321.16) D9.1@2504.96,2321.16 ; C18.2@2640,1873.15 2640,1905 v2(2645,1910) ; v2(2700,2415) 2705,2410 C41.1@2705,2380 ; v2(2735,1540) C37.1@2735,1574.69 ; v2@2735,1847 2735,1815.32 2765.42,1815.32 v2@2766.1,1816 ; v2@2850,1560 2877.01,1560 D4.1@2880,1562.99 ; v2(2905,1380) 2905.2,1379.8 Q9.2@2905.2,1350 ; v2(3020,1795) 3022.91,1797.91 U6.3@3022.91,1881.57 U6.6@3022.91,2247.24 3156.77,2113.39 U6.5@3156.77,1881.57 3201.57,1881.57 v2(3200,1880) ; v2(3112,985) 3142.31,985 C1.1@3146,988.69 ; Q7.2@3220,985.2 3254.8,985.2 v2(3255,985) ; R75.2@3250.32,3190 3284,3190 v2(3285,3191) ; 3355.32,1760 3395,1760 3393.15,1758.15 v2(3393.15,1591.85) ; v2(3410,815) R15.1@3439.69,815 ; v2@3471.8,1039.8 Q6.2@3515,1039.8 ; v2(3480,568) 3492.56,568 R80.2@3492.56,490 ; v2(3495,404) 3492.56,406.44 R80.2@3492.56,490 ; v2(3549,490) R80.2@3492.56,490
  Bottom Layer w10: v2@1139,2884 v2(1139,2890) ; v2(2922,3012) v2@2923,3012 ; v2(3104,2805) 3134,2775 3255,2775 3275,2755 v2(3275,2760)
  Bottom Layer w20: v2(2035,2695) v2@2036,2696
  other v1: 3563,374 3335,517 3583,549 424,650 2362,663 3219,680 2417,714 2188,783 2501,800 2633,800 2780,805 3104,845 2156,860 109,862 274,862 27,879 3437,879 3245,891 2724,901 2597,909 2467,912 2799,918 3017,991 175,1001 2246,1047 2584,1048 2053,1049 3051,1058 101,1069 3462,1113 3553,1121 35,1145 2587,1148 2871,1168 2056,1173 2377,1207 2822,1217 3470,1262 3009,1273 3303,1273 1984,1305 3173,1328 3286,1332 3469,1373 2354,1400 3082,1483 25,1500 1984,1517 3355,1517 2405,1565 1981,1644 3239,1696 2392,1706 2619,1706 2044,1718 2182,1718 3009,1746 2278,1748 3054,1748 3198,1787 3357,1859 3247,1879 29,1901 2595,1958 2389,1964 2788,1982 3358,1988 2687,2101 2782,2139 362,2147 2885,2147 2962,2147 3042,2150 3129,2150 2440,2165 2530,2165 1075,2203 2885,2203 2962,2203 1241,2206 3042,2206 3129,2206 879,2211 450,2242 684,2250 383,2253 2885,2260 2962,2260 3042,2263 3129,2263 1853,2285 1349,2292 1626,2294 794,2298 573,2305 2885,2314 2962,2314 3042,2317 3129,2317 34,2324 1404,2328 1766,2329 1574,2331 2002,2333 2114,2334 2652,2375 2753,2380 2072,2400 2206,2410 2372,2413 2556,2416 1275,2445 1485,2449 3342,2500 1751,2514 3024,2516 2514,2517 2809,2517 2259,2524 1936,2537 3482,2565 1553,2582 3551,2595 1093,2620 1737,2682 1948,2686 1016,2690 1644,2696 30,2701 1358,2718 3401,2746 1922,2756 1542,2761 1784,2762 1237,2793 1854,2807 1138,2811 1963,2816 1569,2827 1638,2827 2347,2861 2531,2864 2608,2864 1927,2899 2377,2909 1643,2912 2285,2916 1575,2927 1732,2934 2608,2950 3137,2964 3237,2964 1204,2966 2315,2979 1546,2986 2751,2992 1923,2995 2526,2995 1054,2997 1245,3002 90,3015 1469,3019 2617,3020 1709.76,3058.78 1364,3062 51,3102 2995,3157 560,3178 388,3189 275,3190 363,3266 520,3269 2153,3273 1368,3274 2967,3274 1460,3276 1733,3325 2153,3325 1595,3326 3094,3327 3269,3329 2316,3335 328,3355
  other v2: 2667,994 2895.2,995 3469,1037 2770,1075.2 2842,1563 2306,1670 3395,1788 2772.1,1816 2736,1855 2502,2402 1650,2534 1461,2596 1423,2755 3355,2940.32 2995,3100 774,3308 839,3309 910,3310 700,3311 631,3313
EXRES1: R72.2 U4.10 | length 399.9
  Top Layer w10: R72.2@460.32,2510 522,2571.68 522,2657.57 649.85,2785.42 694.87,2785.42 U4.10@695.55,2786.1
INTN: R66.1 U2.43 U4.36 | length 1622.4
  Top Layer w10: U4.36@1014.45,2963.27 1014.45,3060.67 1126.78,3173 1195,3173 1210,3188 R66.1@1210,3209.69 ; v2(2126,3029) 2136.65,3029 2189.47,2976.18 U2.43@2190.57,2976.18
  Bottom Layer w10: v2(1014,3031) 1152.54,3031 1152.86,3030.69 1245.14,3030.69 1312.46,3098 2028,3098 2097,3029 v2(2126,3029)
LED: R62.2 U2.2 | length 1240.8
  Top Layer w10: U2.2@2134.89,2820.28 2136,2820.28 2161.86,2846.14 2177.52,2846.14 2221.86,2846.14 v2(2225,2843) ; v2(2453,2627) 2528,2627 2578,2577 2656,2577 2693,2614 2693,3123.32 R62.2@2724.68,3155
  Bottom Layer w10: v2@2227,2843 v2(2225,2843) 2441,2627 2441,2628
LEDGND_1: D1.2 J1.1 J4.2 Q5.3 | length 840.4
  Top Layer w20: D1.2@2759.8,724 2759.8,683.2 2858,585 2858,262 2846,250 J1.1@2775,250 ; D1.2@2764,725 2889,850 Q5.3@2961.93,850
LEDGND_2: D2.2 D14.1 J2.1 J5.2 Q4.3 R17.1 R80.1 | length 3292.7
  Top Layer w15: J2.1@1775,250 1842,250 1889,297 1889,847 ; D2.2@1825,860 1876,860 ; Q4.3@1956.93,860 1902,860 ; 1876,860 1889,847 ; 1876,860 1889,860 ; 1889,847 1902,860 ; 1889,847 1889,860 ; 1889,860 1902,860
  Top Layer w40: D14.1@1527.01,485 1527.01,252.01 1525,250 1525,125 1555,95 3132,95 3171,134 3171,316 3220,365 R17.1@3234.69,365 3234.69,487.24 R80.1@3237.44,490
NetC1_2: C1.2 Q7.1 R8.2 R13.2 | length 235.3
  Top Layer w10: C1.2@3146,1049.32 3156.68,1060 Q7.1@3220,1060 R13.2@3220,1129.68 ; R13.2@3224,1133.68 R13.2@3220,1129.68 ; R8.2@3289,1135.68 3216,1135.68 R13.2@3215,1134.68 R13.2@3220,1129.68
NetC2_1: C2.1 D13.1 R18.2 | length 431.9
  Top Layer w40: C2.1@2440.63,995 2495,995 2525.2,1025.2 R18.2@2525.2,1265 2512.99,1277.2 D13.1@2512.99,1355
NetC21_1: C21.1 R30.1 | length 89.4
  Top Layer w20: C21.1@461,1369.31 R30.1@461,1458.69
NetC21_2: C21.2 D6.2 T1.10 | length 1338.7
  Top Layer w20: C21.2@456,1303.68 C21.2@461,1308.68 464,1305.68 v2(464,1267) ; D6.2@723,1673.78 723,1623 774,1572 774,1265 700,1191 v1(700,1108) 700,872 771,801 T1.10@803.91,801
  Bottom Layer w20: v2(464,1267) 623,1108 v1(700,1108)
NetC22_1: C22.1 R31.1 | length 89.4
  Top Layer w20: C22.1@531,1369.31 R31.1@531,1458.69
NetC22_2: C22.2 D6.4 T1.15 | length 1280.2
  Top Layer w20: v2(531,1270) C22.2@531,1308.68 ; D6.4@624.57,1673.78 624.57,1724.57 645,1745 743,1745 808,1680 808,1233 v2(745,1170) 745,1063 755,1053 T1.15@813.45,1053
  Bottom Layer w20: v2(531,1270) 632,1169 633,1170 v2(745,1170)
NetC23_1: C23.1 R32.1 | length 90.4
  Top Layer w20: C23.1@666,1370.31 666,1453.69 R32.1@671,1458.69